# Altium PCB smu_unit.PcbDoc (part 1 of 3)
Units mil, origin at the board's own origin, x right, y up, seen from the top; angles counter-clockwise.
Board outline 6066 x 1900 mil, 4 copper layers (L1, L2, L3, L4), stack 64.6 mil thick; 154 components, 103 nets, 549 pads, 1003 vias.
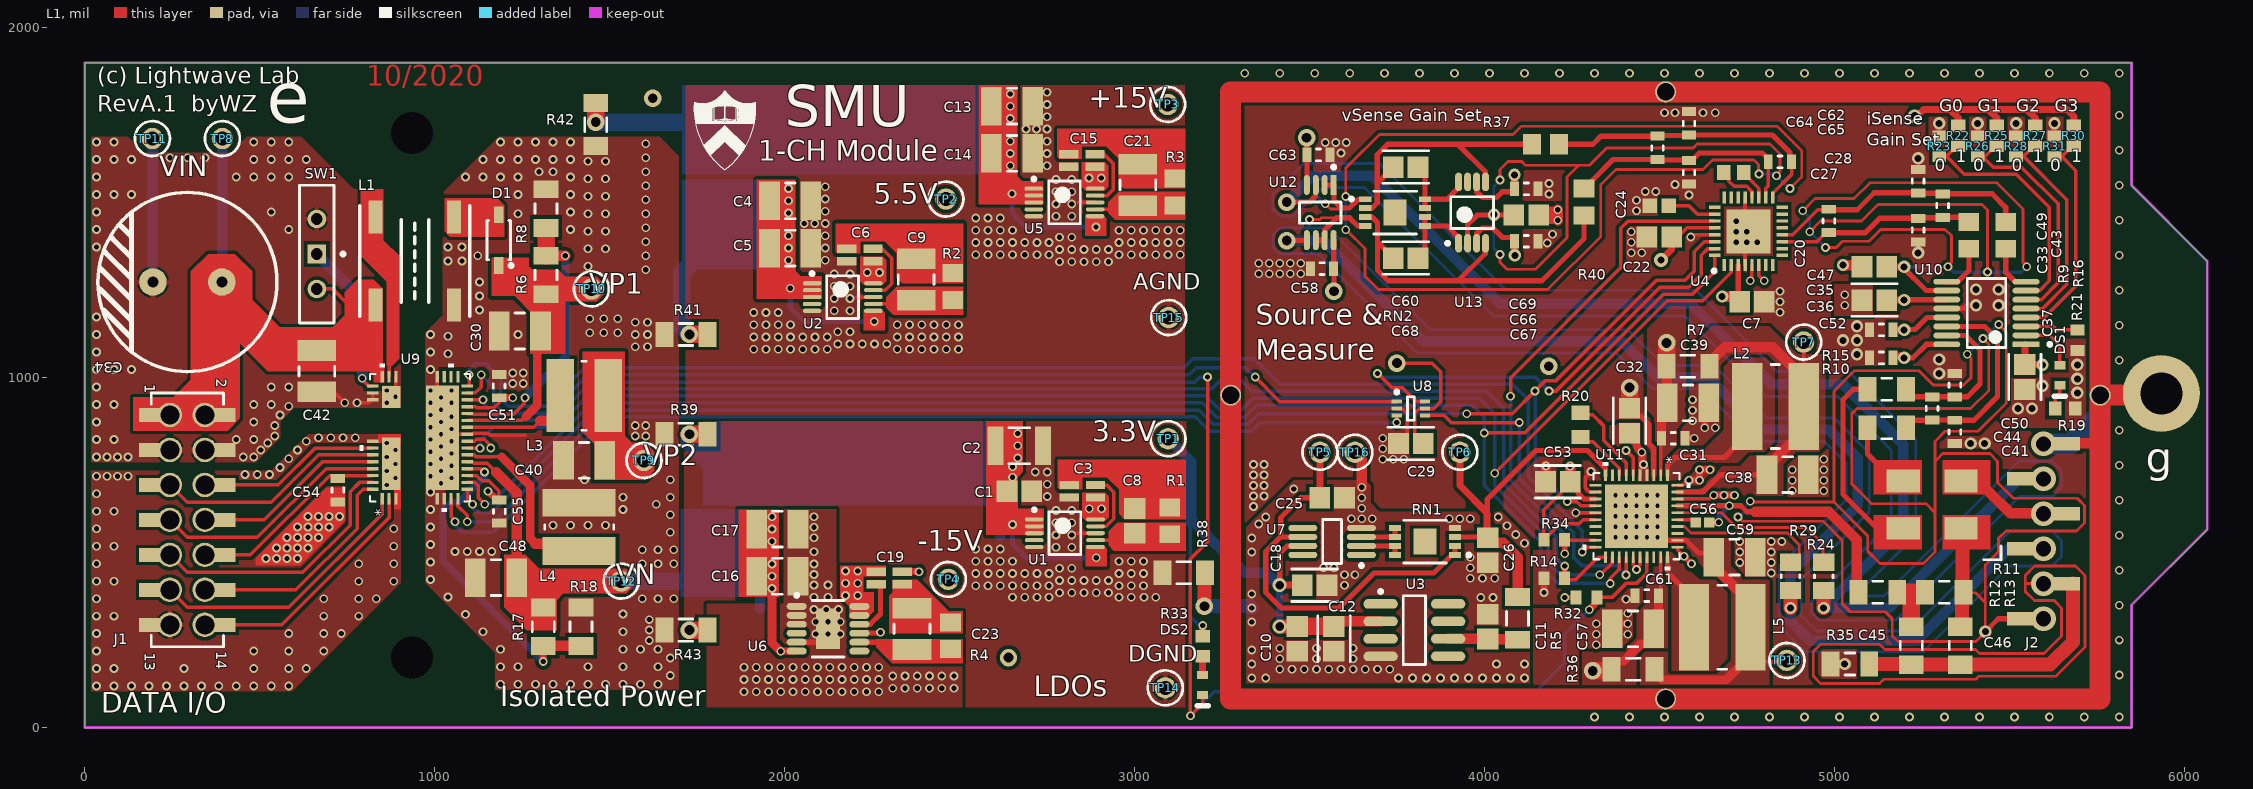
[diagram p0: L1 view]
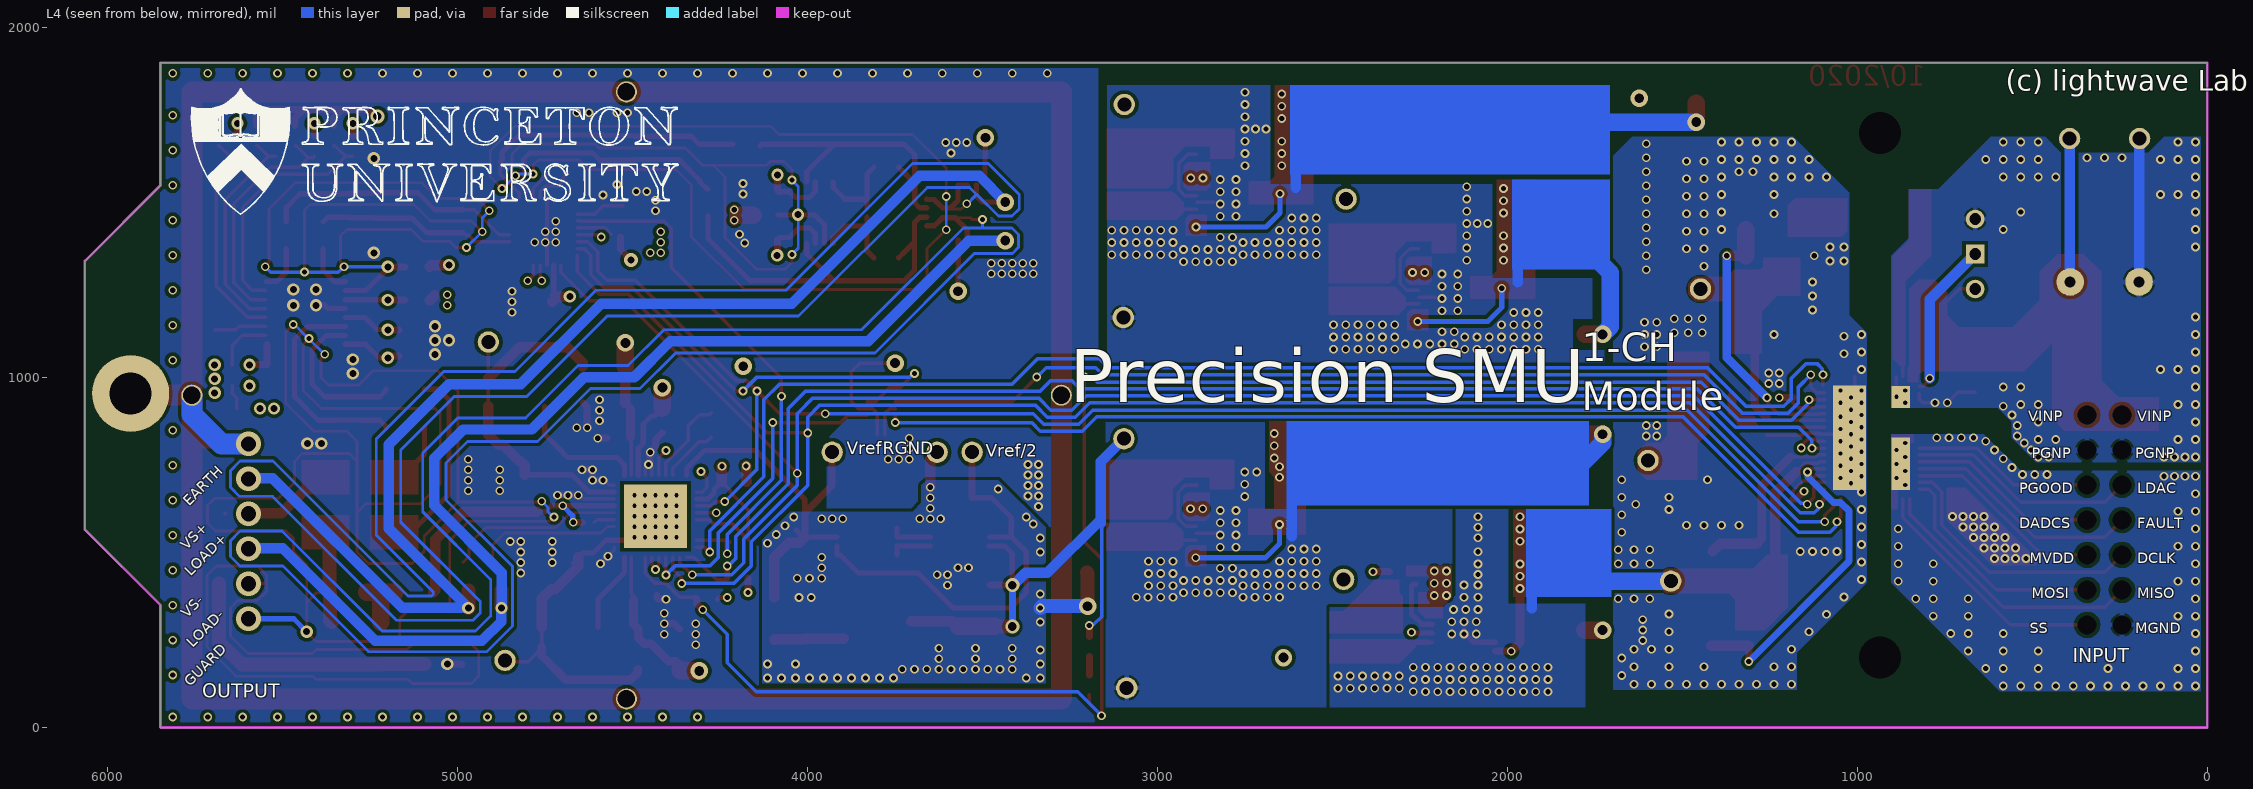
[diagram p1: L4 view, seen from below]
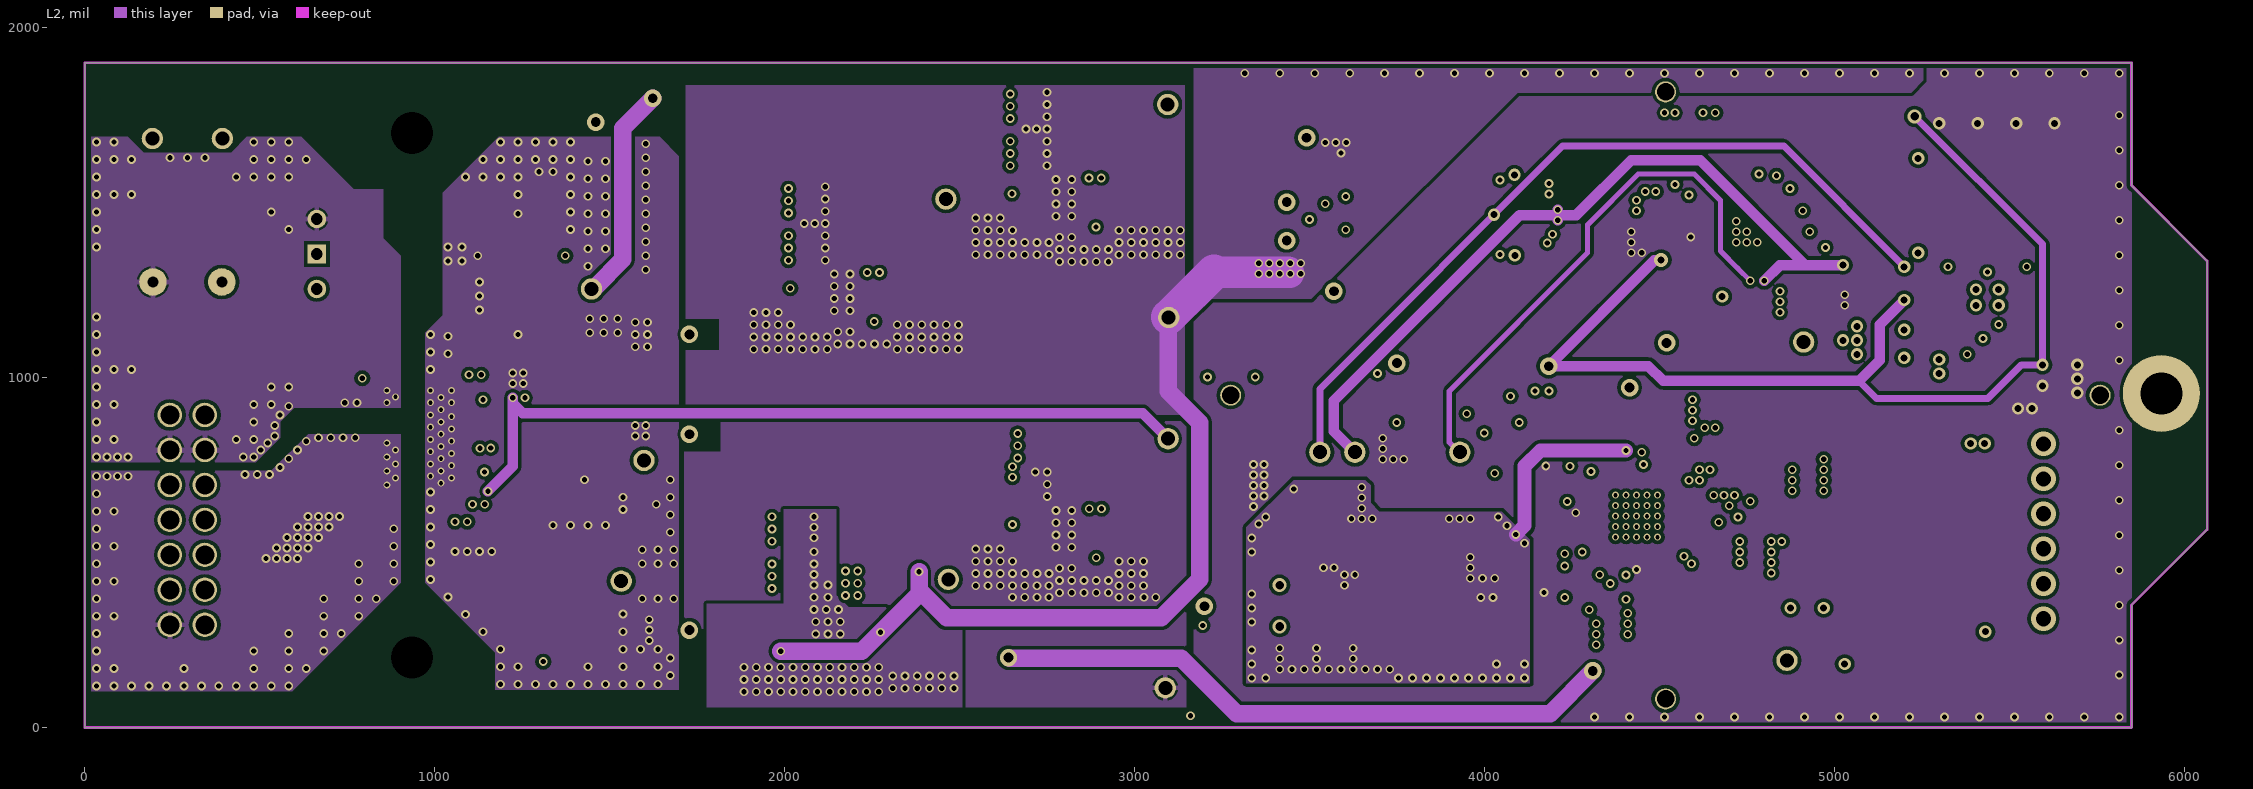
[diagram p2: L2]
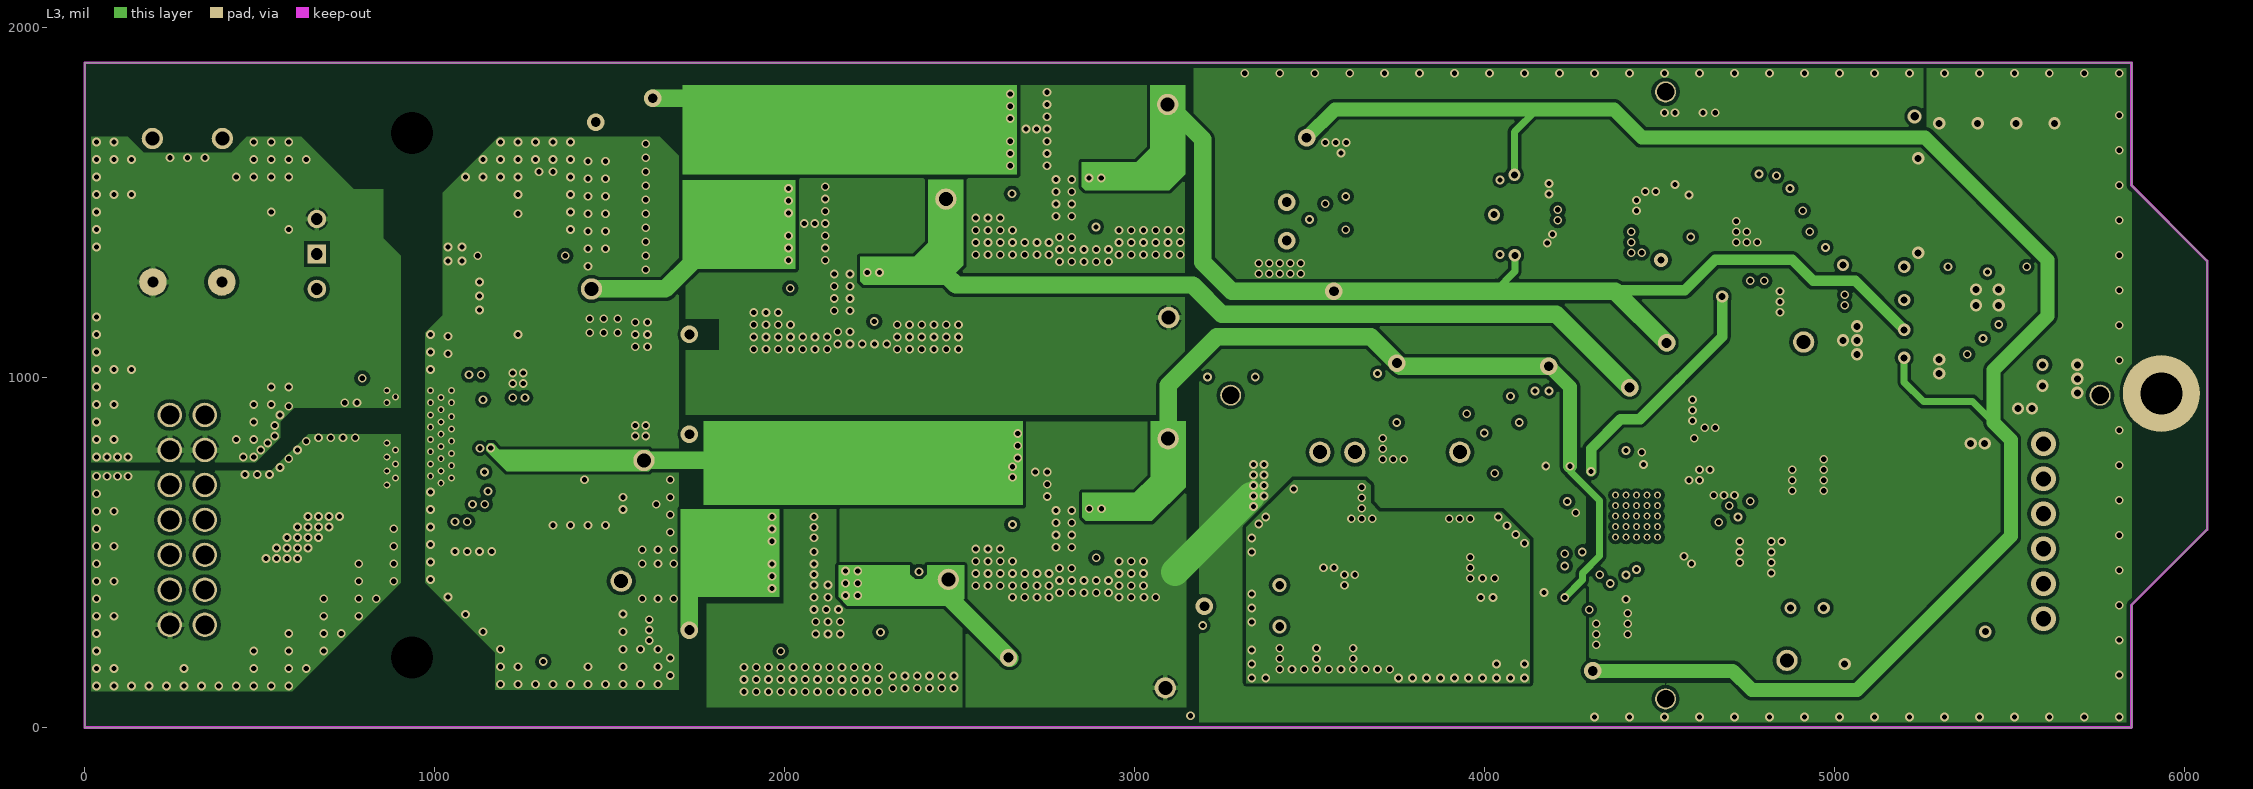
[diagram p3: L3]

## Layer stack, top to bottom
Top Solder: solder mask 0.1, Solder Resist, Dk 1
L1: signal copper 1.4
Prepreg 1: prepreg 6.7, FR-408, Dk 3.66
L2: signal copper 0.7
Core: dielectric 47, FR-4, Dk 3.66
L3: signal copper 0.7
Prepreg 2: prepreg 6.7, FR-408, Dk 3.66
L4: signal copper 1.4
Bottom Solder: solder mask 0.1, Solder Resist, Dk 1

## Board outline
0,0 0,1900 5850,1900 5850,1550 6066,1334 6066,566 5850,350 5850,0

## Design rules (kind name [scope] priority, off if disabled: settings)
BoardOutlineClearance [All] p1: gap=15 ignorepadtopadclearanceinfootprint=FALSE
Clearance "Clearance Polygons" [InPolygon] p1: gap=10 ignorepadtopadclearanceinfootprint=FALSE except(0: Arc-Hole Track-Hole SMDPad-Hole THPad-Hole Via-Hole Fill-Hole Poly-Hole Region-Hole Text-Hole)
Clearance [All] p2: gap=5 ignorepadtopadclearanceinfootprint=FALSE except(0: Arc-Hole Track-Hole SMDPad-Hole THPad-Hole Via-Hole Fill-Hole Poly-Hole Region-Hole Text-Hole)
ComponentClearance "HM-TRP & UFL" [InComponent('X1') vs InComponent('U1')] p1: gap=0 collisioncheckmode=3 verticalgap=0 showdistances=FALSE
ComponentClearance [All] p2: gap=1 collisioncheckmode=3 verticalgap=1 showdistances=FALSE
DiffPairsRouting [All] p1: maxlimit=393.7 minlimit=5 mostfreqgap=8 toplayer_minwidth=5 toplayer_maxwidth=15 toplayer_prefwidth=8 midlayer1_minwidth=5 midlayer1_maxwidth=15 midlayer1_prefwidth=8 midlayer2_minwidth=5 midlayer2_maxwidth=15 midlayer2_prefwidth=8 bottomlayer_minwidth=5 bottomlayer_maxwidth=15 bottomlayer_prefwidth=8 maxuncoupledlength=500
HoleSize [All] p1: absolutevalues=TRUE maxlimit=265 minlimit=10 maxpercent=80.000 minpercent=20.000
HoleToHoleClearance [All] p1: gap=10 allowstackedmicrovias=FALSE
MinimumAnnularRing [All] p1: minimumring=4
MinimumSolderMaskSliver [All] p1: minsoldermaskwidth=0
PlaneClearance [All] p1: clearance=10
PlaneConnect [All] p1: planeconnectstyle=Relief reliefexpansion=4 reliefentries=4 reliefconductorwidth=6 reliefairgap=6
PolygonConnect "Via connect style" [isVia] p1: connectstyle=Direct reliefconductorwidth=10 reliefentries=4 polygonreliefangle="90 Angle" airgapwidth=10
PolygonConnect [All] p2: thpad.connectstyle=Relief thpad.reliefconductorwidth=15 thpad.reliefentries=4 thpad.polygonreliefangle="90 Angle" thpad.airgapwidth=6 smdpad.connectstyle=Direct smdpad.reliefconductorwidth=10 smdpad.reliefentries=4 smdpad.polygonreliefangle="90 Angle" smdpad.airgapwidth=6 via.connectstyle=Direct via.reliefconductorwidth=10 via.reliefentries=4 via.polygonreliefangle="90 Angle" via.airgapwidth=6
RoutingCorners [All] p1: cornerstyle=45-Degree minsetback=49.21 maxsetback=49.21
RoutingVias [All] p1: holewidth=12 width=22 viastyle="Through Hole" minholewidth=10 minwidth=18 maxholewidth=100 maxwidth=114
SilkToSilkClearance [All] p1: silktosilkclearance=0
SilkToSolderMaskClearance [IsPad] p1: minsilkscreentomaskgap=5 clearancetoexposedcopper=TRUE
SolderMaskExpansion SolderMaskExpansion_1 [All] p1: expansion=4 istentingtop=FALSE
SolderMaskExpansion SolderMaskExpansion_via [IsVia] p2: expansion=2.5 istentingtop=TRUE
Width GND [InNet('GND')] p1: maxlimit=30 minlimit=10 preferedwidth=20
Width Power [InNetClass('Power')] p2: maxlimit=40 minlimit=20 preferedwidth=30
Width 3V3 [InNetClass('3V3')] p3: maxlimit=30 minlimit=10 preferedwidth=20
Width [All] p4: maxlimit=400 minlimit=6 preferedwidth=8
20 further rules are at their usual default settings.

## Components (designator, comment, footprint, x,y, rotation, side; value= is the part's Value field where it differs from the comment)
C1 "C0805C475J4RACAUTO" CAPC2013X140X50ML20T25 2671.11,675.59 r0 top value=4.7uF
C2 "‎GRM32ER71C226KEA8L‎" CAPC3225X270X30ML30 2671.11,805.59 r180 top
C3 "CAP08054P" CAP0805_4P 2851.11,675.59 r180 top value=4.7uF
C4 "C1210C106K5RACTU" CAPC3225X280X50ML20T25 2016.11,1505.59 r180 top
C5 "C1206X475J5RAC7800" CAPC3225X280X50ML20T25 2016.11,1370.59 r180 top
C6 "CAP08054P" CAP0805_4P 2215.11,1350.59 r180 top value=4.7uF
C7 "C0805C475J4RACAUTO" CAPC2013X140X50ML20T25 4765,1217 r0 top value=4.7uF
C8 "C0805C475J4RACAUTO" CAPC2013X140X50ML20T25 3001.11,590.87 r90 top value=4.7uF
C9 "C1206X475J5RAC7800" CAPC3225X280X50ML20T25 2376.11,1280.59 r270 top
C10 "C0805C475J4RACAUTO" CAPC2013X140X50ML20T25 3465.11,253.59 r270 top value=4.7uF
C11 "C0805C475J4RACAUTO" CAPC2013X140X50ML20T25 4010.11,288.59 r90 top value=4.7uF
C12 "C0805C104J4RACTU" FP-C0805C-DN-IPC_A 3570.11,253.59 r270 top value="0.10 μF"
C13 "C1210C106K5RACTU" CAPC3225X280X50ML20T25 2650,1776 r180 top
C14 "C1206X475J5RAC7800" CAPC3225X280X50ML20T25 2650,1641 r180 top
C15 "CAP08054P" CAP0805_4P 2850,1621 r180 top value=4.7uF
C16 "C1210C106K5RACTU" CAPC3225X280X50ML20T25 1979.22,432.48 r0 top
C17 "C1206X475J5RAC7800" CAPC3225X280X50ML20T25 1979.22,567.48 r0 top
C18 "C0805C104J8RACTU" FP-C0805C-DN-IPC_A 3515,407 r0 top value="0.10 μF"
C19 "CAP08054P" CAP0805_4P 2299.22,427.48 r0 top value=4.7uF
C20 "CGA3E2X7R1H104K080AA" CAPC1608X90X20ML10 4985,1448 r90 top
C21 "C1206X475J5RAC7800" CAPC3225X280X50ML20T25 3010,1551 r270 top
C22 "C0805C475J4RACAUTO" CAPC2013X140X50ML20T25 4500,1402 r0 top value=4.7uF
C23 "C1206X475J5RAC7800" CAPC3225X280X50ML20T25 2364.22,282.48 r270 top
C24 "CC0603KRX7R7BB224" CAPC1608X90X40ML10T20 4500,1492 r180 top
C25 "C0805X106J9RAC7800" CAPC2013X140X50ML20T25 3565,657 r180 top value=10uF
C26 "C0805C275K8PACTU" CAPC2013X145X50ML20T25 4010,507 r90 top value=2.7uF
C27 "1nF 16V" CAPC1608X87X35ML15T15 4713,1587 r180 top
C28 "CGA3E2X7R1H104K080AA" CAPC1608X90X20ML10 4845,1617 r180 top
C29 "C0805C104J8RACTU" FP-C0805C-DN-IPC_A 3790,812 r180 top value="0.10 μF"
C30 "C1210C106K5RACTU" CAPC3225X280X50ML20T25 1243.11,1133.59 r180 top
C31 "CGA3E2X7R1H104K080AA" CAPC1608X90X20ML10 4540,827 r0 top
C32 "C0805C104J4RACTU" FP-C0805C-DN-IPC_A 4415,877 r270 top value="0.10 μF"
C33 "CGA3E2X7R1H104K080AA" CAPC1608X90X20ML10 5240,1422 r270 top
C34 "A759PY687M1HAAE026" A759PY687M1HAAE026 293.11,1273.59 r90 top value=680uF
C35 "C0805C104J8RACTU" FP-C0805C-DN-IPC_A 5115,1222 r180 top value="0.10 μF"
C36 "CGA3E2X7R1H104K080AA" CAPC1608X90X20ML10 5135,1137 r180 top
C37 "C0805C104J8RACTU" FP-C0805C-DN-IPC_A 5545,1002 r270 top value="0.10 μF"
C38 "C1210C106K5RACTU" CAPC3225X280X50ML20T25 4867,723 r0 top
C39 "C1210C106K5RACTU" CAPC3225X280X50ML20T25 4582,928 r180 top
C40 "C1210C106K5RACTU" CAPC3225X280X50ML20T25 1427.11,763.59 r0 top
C41 "CGA3E2X7R1H104K080AA" CAPC1608X90X20ML10 5345,845 r90 top
C42 "C1210C106K5RACTU" CAPC3225X280X50ML20T25 663.11,1018.59 r90 top
C43 "CGA3E2X7R1H104K080AA" CAPC1608X90X20ML10 5310,1492 r270 top
C44 "CGA3E2X7R1H104K080AA" CAPC1608X90X20ML10 5280,912 r90 top
C45 "GCM31CR71C106KA64K" CAPC3216X16N 5220,234 r90 top value=10uF
C46 "GCM31CR71C106KA64K" CAPC3216X16N 5360,234 r90 top value=10uF
C47 "C0805X106J9RAC7800" CAPC2013X140X50ML20T25 5115,1317 r0 top value=10uF
C48 "C1210C106K5RACTU" CAPC3225X280X50ML20T25 1175.11,428.59 r180 top
C49 "CGA3E2X7R1H104K080AA" CAPC1608X90X20ML10 5240,1562 r270 top
C50 "CGA3E2X7R1H104K080AA" CAPC1608X90X20ML10 5345,979 r90 top
C51 "CGA3E2X7R1H104K080AA" CAPC1608X90X20ML10 1184.05,976.23 r270 top
C52 "CGA3E2X7R1H104K080AA" CAPC1608X90X20ML10 5135,1057 r180 top
C53 "C0805C104J4RACTU" FP-C0805C-DN-IPC_A 4210,702.83 r180 top value="0.10 μF"
C54 "CGA3E2X7R1H104K080AA" CAPC1608X90X20ML10 723.11,678.59 r90 top
C55 "CGA3E2X7R1H104K080AA" CAPC1608X90X20ML10 1185.11,617.59 r270 top
C56 "GCM155R71H221KA37D" CAPC1005X55X25ML05T10 4623.94,586.41 r0 top value=220pF
C57 "C1210C106K5RACTU" CAPC3225X280X50ML20T25 4425,282 r180 top
C58 "CGA3E2X7R1H104K080AA" CAPC1608X90X20ML10 3536,1312 r180 top
C59 "C1210C106K5RACTU" CAPC3225X280X50ML20T25 4715,487 r180 top
C60 "C0805C104J4RACTU" FP-C0805C-DN-IPC_A 3775,1602 r180 top value="0.10 μF"
C61 "CGA3E2X7R1H104K080AA" CAPC1608X90X20ML10 4464.25,377 r180 top
C62 "CGA3E2X7R1H104K080AA" CAPC1608X90X20ML10 4585,1727 r270 top
C63 "CGA3E2X7R1H104K080AA" CAPC1608X90X20ML10 3526,1637 r0 top
C64 "CGA3E2X7R1H104K080AA" CAPC1608X90X20ML10 4495,1657 r270 top
C65 "CGA3E2X7R1H104K080AA" CAPC1608X90X20ML10 4585,1587 r270 top
C66 "C0805X106J9RAC7800" CAPC2013X140X50ML20T25 4120,1465 r180 top value=10uF
C67 "CGA3E2X7R1H104K080AA" CAPC1608X90X20ML10 4120,1540 r0 top
C68 "C0805C104J4RACTU" FP-C0805C-DN-IPC_A 3775,1342 r180 top value="0.10 μF"
C69 "CGA3E2X7R1H104K080AA" CAPC1608X90X20ML10 4120,1390 r0 top
D1 "BAT46W-7-F" DIOD-SOD-123-2_V 1183.11,1393.59 r270 top
DS1 "TLMS1000-GS08" VISH-TLMS1000_V 5645,1007 r270 top
DS2 "TLMS1000-GS08" VISH-TLMS1000_V 3195,122 r270 top
J1 "61031421821" 61031421821 293.11,593.59 r270 top
J2 "SMU_OUTPUT" "HEADER 6 SMD" 5533.08,811 r270 top
L1 "750316743" 750316743 943.11,1333.59 r270 top
L2 "744052470" WE-TPC-5818-L 4832,918 r0 top
L3 "744043101" WE-TPC-4828-MH 1427.11,948.59 r0 top
L4 "744043101" WE-TPC-4828-MH 1413.11,573.59 r90 top
L5 "744052470" WE-TPC-5818-L 4680,287 r0 top
R1 "TNPW080533K2BEEN" RESC2013X55X40ML15T20 3101.11,590.87 r270 top value=33.2k
R2 "TNPW0805150KBEEN" RESC2013X55X40ML15T20 2481.11,1260.59 r270 top value=55k
R3 "TNPW080560K4BEEN" RESC2013X55X40ML15T20 3115,1531 r270 top value=150k
R4 "TNPW0805150KBEEN" RESC2013X55X40ML15T20 2474.22,262.48 r270 top value=150k
R5 "0" RESC3216X105X45ML10T20 4095,312 r90 top
R6 "‎RG3216P-2704-B-T1‎" RESC3216X04N 1318.11,1293.59 r270 top value=2.7M
R7 "0" RESC3216X105X45ML10T20 4582,1033 r0 top
R8 "TNPW1206120KBEEA" RESC3216X04N 1318.11,1483.59 r270 top value=120k
R9 "TNPW0805100KBEEA" RESC2013X55X40ML15T20 5385,1407 r90 top value=100
R10 "TNPW1206100RBYEN" RESC3216X04N 5150,857 r0 top value=100
R11 "Y160610R0000D9W" RSHUNT 5280,637 r180 top
R12 "‎TNPW120610R0BEEA‎" RESC3216X04N 5125,387 r180 top value=10
R13 "‎TNPW120610R0BEEA‎" RESC3216X04N 5315,387 r180 top value=10
R14 "RC0603FR-07100KL" RESC1608X55X25ML10T15 4200,427 r180 top
R15 "TNPW1206100RBYEN" RESC3216X04N 5150,967 r0 top value=100
R16 "TNPW0805100KBEEA" RESC2013X55X40ML15T20 5490,1407 r90 top value=100
R17 "TNPW1206120KBEEA" RESC3216X04N 1310.11,288.59 r90 top value=120k
R18 "‎RG3216P-2704-B-T1‎" RESC3216X04N 1418.11,288.59 r270 top value=2.7M
R19 "ERJ-3EKF1001V" RESC1608X55X30ML15T15 5660,912 r180 top value=1k
R20 "TNPW080513K7BEEN" RESC2012X04N 4275,865 r90 top value=13.7k
R21 "RC0603FR-07100KL" RESC1608X55X25ML10T15 5695,1107 r90 top
R22 "ERJ-3EKF1001V" RESC1608X55X30ML15T15 5355,1692 r270 top value=1k
R23 "RC0603FR-07100KL" RESC1608X55X25ML10T15 5300,1662 r270 top
R24 "1k" RESC2013X50X30ML20T20 4970,432 r270 top
R25 "ERJ-3EKF1001V" RESC1608X55X30ML15T15 5465,1692 r270 top value=1k
R26 "RC0603FR-07100KL" RESC1608X55X25ML10T15 5410,1662 r270 top
R27 "ERJ-3EKF1001V" RESC1608X55X30ML15T15 5575,1692 r270 top value=1k
R28 "RC0603FR-07100KL" RESC1608X55X25ML10T15 5520,1662 r270 top
R29 "1k" RESC2013X50X30ML20T20 4875,432 r270 top
R30 "ERJ-3EKF1001V" RESC1608X55X30ML15T15 5685,1692 r270 top value=1k
R31 "RC0603FR-07100KL" RESC1608X55X25ML10T15 5630,1662 r270 top
R32 "RC0603FR-07100KL" RESC1608X55X25ML10T15 4292,372 r0 top
R33 "ERJ-3EKF1001V" RESC1608X55X30ML15T15 3195,232 r270 top value=1k
R34 "RT0603BRE0710KL" RESC1608X55X25ML10T15 4200,537 r0 top value=10k
R35 "TNPW120620R0BEEN" RESC3216X04N 5045,182 r180 top value=20
R36 "0" RESC3216X105X45ML10T20 4425,167 r0 top
R37 "TNPW0805100KBEEA" RESC2013X55X40ML15T20 4175,1667 r0 top value=100